# KiCad board 4runner-seat-heat.kicad_pcb
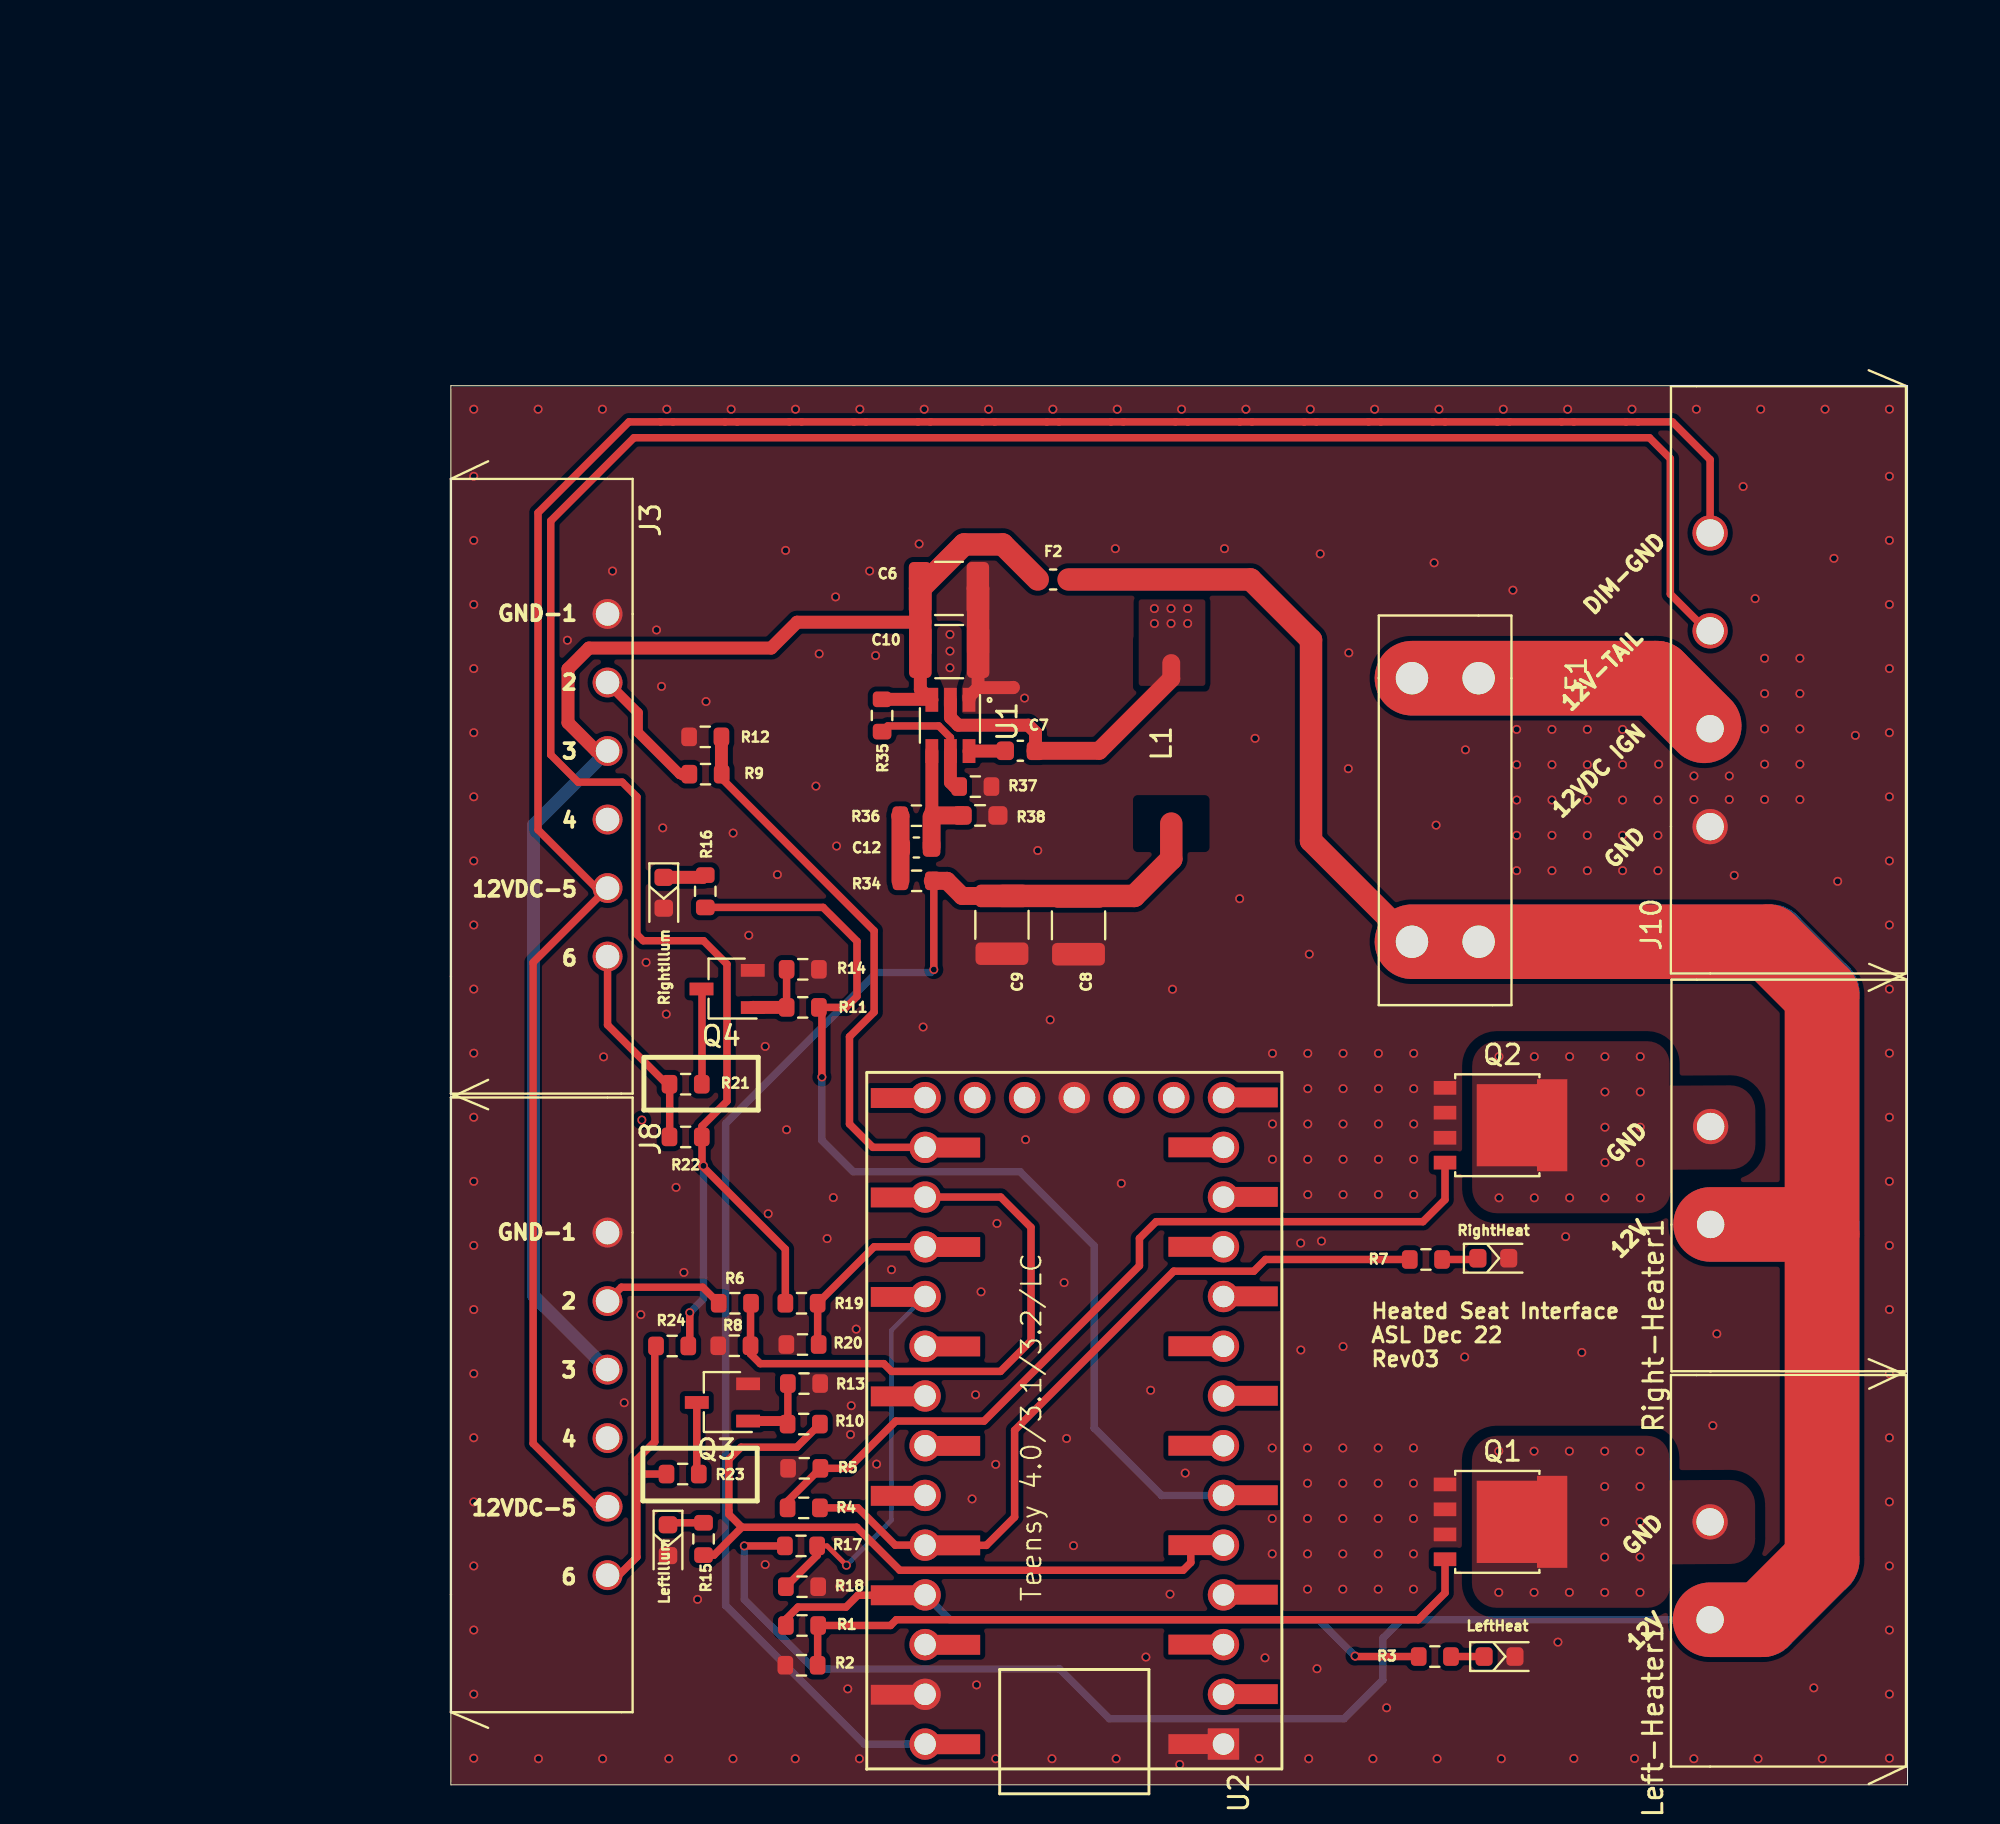
[diagram p0: board, top side]
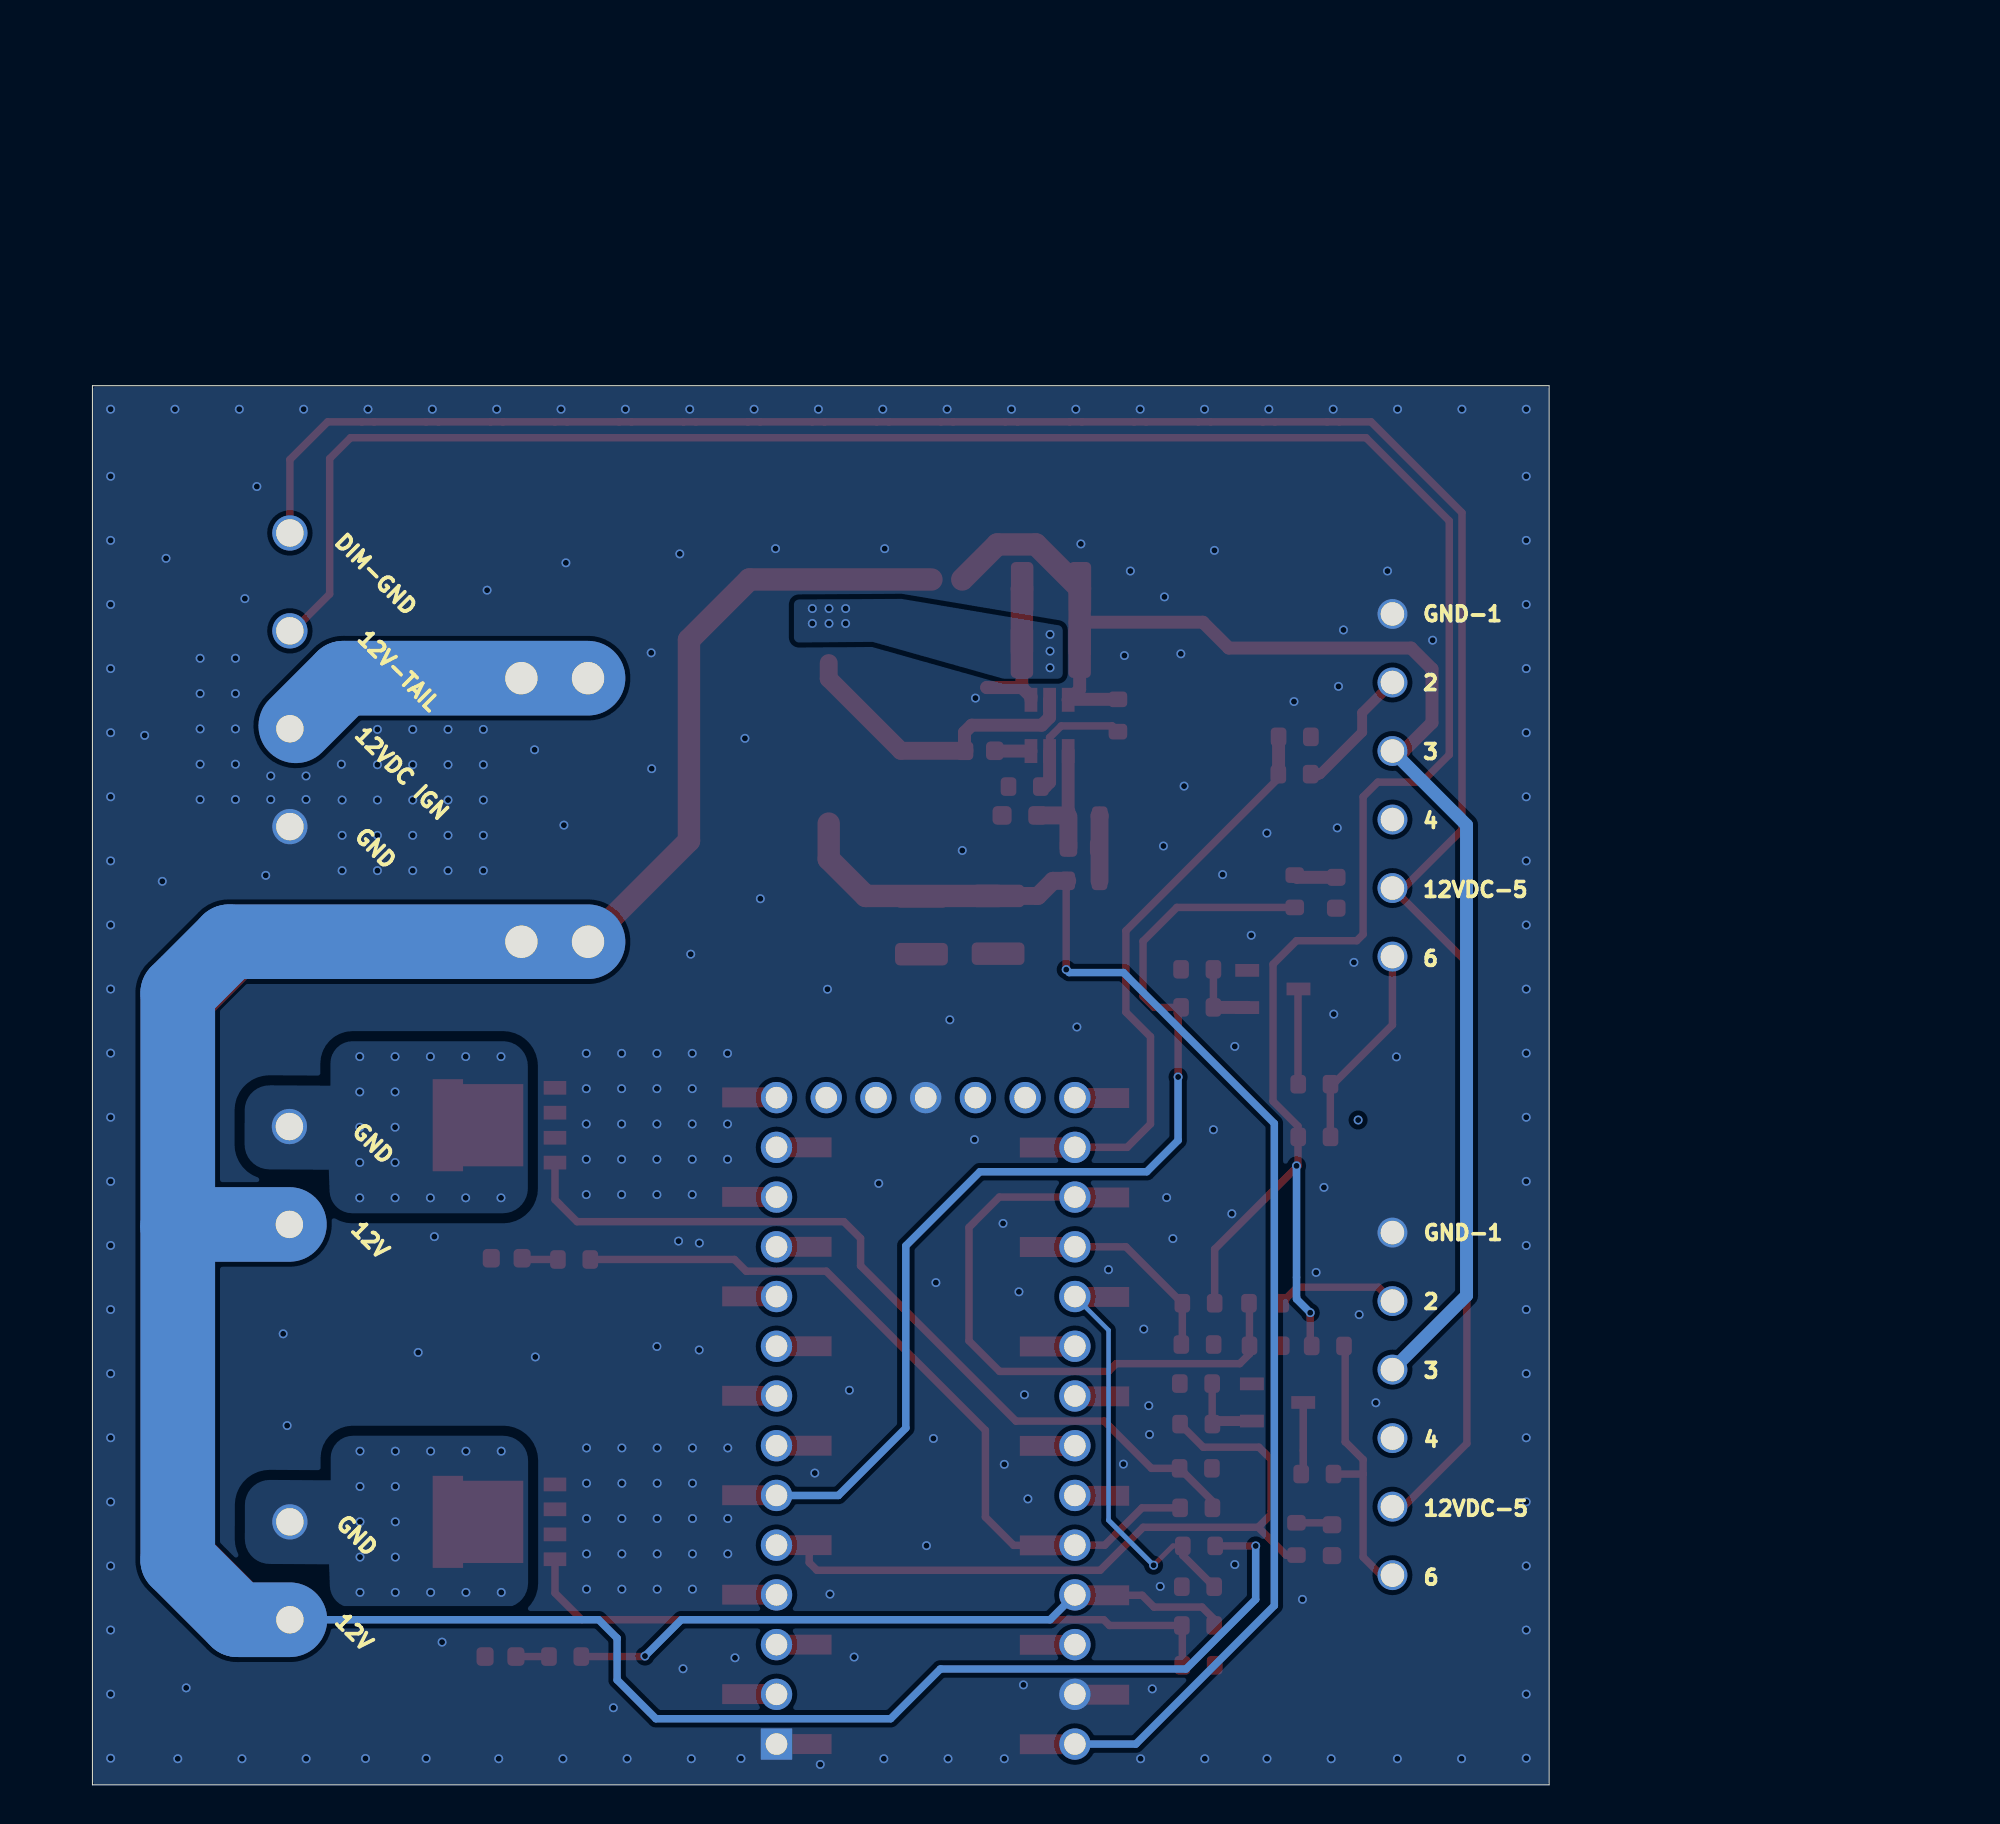
[diagram p1: board, bottom side, seen from below]

Outline 74.4 x 71.47 mm; copper layers: Top, Bottom. Coordinates in mm from the lower left corner of the outline.
Outline path: 0,71.47 0,0 74.4,0 74.4,71.47 0,71.47

## Placement (name value [footprint] x y rotation side)
C6  0.1uF  [C_1210_3225Metric]  25.44 61.11 0 top
C7  0.1uF  [C_0603_1608Metric]  29.08 52.82 180 top
C8  22uF  [C_1210_3225Metric]  32.05 43.9 90 top
C9  22uF  [C_1210_3225Metric]  28.14 43.93 90 top
C10  10uF  [C_1210_3225Metric]  25.45 57.89 0 top
C12  22uF  [C_0603_1608Metric]  23.77 47.88 180 top
D1  LeftHeatLED  [Kingbright-APT1608LZGCK]  53.56 6.55 180 top
D2  RightHeatLED  [Kingbright-APT1608LZGCK]  53.24 26.9 180 top
D3  Right-Illum-LED  [Kingbright-APT1608LZGCK]  10.87 45.57 90 top
D4  Left-Illum-LED  [Kingbright-APT1608LZGCK]  11.09 12.5 90 top
F1  Fuse  [Keystone-3587-20]  52.49 56.53 270 top
F2  Polyfuse  [Fuse_0603_1608Metric]  30.76 61.57 0 top
J1  Toyota-90980-10964  [DNP-Mechanical]  5.98 88.19 0 top
J3  -  [TE-284539-6]  8 59.81 270 top
J4  TE-796859-2  [DNP-Mechanical]  5.98 85.67 0 top
J5  Toyota-90980-10933  [DNP-Mechanical]  25.01 88.19 0 top
J6  TE-796859-2  [DNP-Mechanical]  5.98 83.15 0 top
J7  TE-284510-6  [DNP-Mechanical]  45.36 73.89 0 top
J8  -  [TE-284539-6]  8 28.21 270 top
J9  TE-796859-4  [DNP-Mechanical]  45.87 76.68 0 top
J10  TE796864-4  [TE-796864-4]  64.31 48.95 90 top
L1  L  [Wurth-7447714068]  36.79 53.2 270 top
Left-Heater1  -  [TE-796864-2]  64.31 8.43 90 top
Pin2  TE-1743655-1  [DNP-Mechanical]  5.98 80.63 0 top
Pin3  TE-1743655-1  [DNP-Mechanical]  5.98 78.11 0 top
Pin4  TE-1743655-1  [DNP-Mechanical]  5.98 75.59 0 top
Pin5  TE-1743655-1  [DNP-Mechanical]  5.98 73.07 0 top
Pin6  TE-1743655-1  [DNP-Mechanical]  -14.07 88.42 0 top
Pin7  TE-1743655-1  [DNP-Mechanical]  -14.38 82.98 0 top
Pin8  TE-1743655-1  [DNP-Mechanical]  25.01 83.15 0 top
Pin9  TE-1743655-1  [DNP-Mechanical]  25.01 80.63 0 top
Pin10  TE-1743655-1  [DNP-Mechanical]  25.01 78.11 0 top
Pin10#2  TE-1743655-1  [DNP-Mechanical]  45.58 88.37 0 top
Pin10#3  TE-1743655-1  [DNP-Mechanical]  45.36 85.32 0 top
Pin10#4  TE-1743655-1  [DNP-Mechanical]  45.01 82.27 0 top
Pin10#5  TE-1743655-1  [DNP-Mechanical]  45.06 79.32 0 top
Pin10#6  TE-1743655-1  [DNP-Mechanical]  65.74 88.21 0 top
Pin10#7  TE-1743655-1  [DNP-Mechanical]  65.38 84.2 0 top
Pin10#8  TE-1743655-1  [DNP-Mechanical]  65.38 80.85 0 top
Pin10#9  TE-1743655-1  [DNP-Mechanical]  65.53 76.48 0 top
Pin11  TE-1743655-1  [DNP-Mechanical]  25.01 75.59 0 top
Pin12  TE-1743655-1  [DNP-Mechanical]  25.01 73.07 0 top
Q1  BUK9Y30-75B,115  [BUK9Y30-75B,115-SOT669]  53.71 13.43 0 top
Q2  BUK9Y30-75B,115  [BUK9Y30-75B,115-SOT669]  53.71 33.69 0 top
Q3  -  [BSH103,215]  13.87 19.53 180 top
Q4  -  [BSH103,215]  14.11 40.65 180 top
R1  10K  [R_0603_1608Metric]  17.93 8.14 180 top
R2  100K  [R_0603_1608Metric]  17.91 6.11 0 top
R3  1K  [R_0603_1608Metric]  50.25 6.55 180 top
R4  10K  [R_0603_1608Metric]  18.02 14.15 0 top
R5  100K  [R_0603_1608Metric]  18.05 16.17 0 top
R6  3.6k  [R_0603_1608Metric]  14.5 24.6 180 top
R7  1K  [R_0603_1608Metric]  49.8 26.84 180 top
R8  1k  [R_0603_1608Metric]  14.48 22.43 180 top
R9  3.6k  [R_0603_1608Metric]  13 51.63 180 top
R10  10K  [R_0603_1608Metric]  18.02 18.43 0 top
R11  10K  [R_0603_1608Metric]  17.97 39.71 0 top
R12  1k  [R_0603_1608Metric]  12.99 53.53 180 top
R13  10K  [R_0603_1608Metric]  18.03 20.5 180 top
R14  10K  [R_0603_1608Metric]  17.97 41.66 180 top
R15  10K  [R_0603_1608Metric]  12.9 12.56 270 top
R16  10K  [R_0603_1608Metric]  12.99 45.64 270 top
R17  3.6k  [R_0603_1608Metric]  17.88 12.2 180 top
R18  1k  [R_0603_1608Metric]  17.93 10.12 180 top
R19  3.6k  [R_0603_1608Metric]  17.91 24.6 180 top
R20  1k  [R_0603_1608Metric]  17.96 22.49 0 top
R21  0ohm  [R_0603_1608Metric]  11.99 35.79 0 top
R22  0ohm  [R_0603_1608Metric]  11.99 33.1 180 top
R23  0ohm  [R_0603_1608Metric]  11.84 15.88 0 top
R24  0ohm  [R_0603_1608Metric]  11.3 22.42 180 top
R34  49.9  [R_0603_1608Metric]  23.79 46.18 180 top
R35  510k  [R_0603_1608Metric]  22.02 54.62 270 top
R36  100k  [R_0603_1608Metric]  23.77 49.5 0 top
R37  105k  [R_0603_1608Metric]  26.78 50.99 0 top
R38  22k  [R_0603_1608Metric_Pad0.98x0.95mm_HandSolder]  27.03 49.52 0 top
Right-Heater1  -  [TE-796864-2]  64.34 28.63 90 top
S1  Toyota-84751-35090  [DNP-Mechanical]  -13.67 76.02 0 top
S2  Toyota-84751-35100  [DNP-Mechanical]  -13.97 79.07 0 top
U1  -  [TPS54302DDCR]  26.21 54.11 270 top
U2  Teensy3.2  [Teensy30_31_32_LC]  31.84 18.59 90 top

## Library data of the parts
C6-C10 C12 = -: Description: Unpolarized capacitor
D1-D4 = -: Description: Light emitting diode
F2 = -: Description: Resettable fuse, polymeric positive temperature coefficient
J3 J8 = -: Description: Header Shrouded 6 Position 3.5 mm Pitch Right Angle Euro Style Terminal Block
J4 J6 = -: Description: Conn Terminal Block F 2 POS 5.08mm Screw RA Panel Mount 15A/Contact
J7 = -: Description: Conn Eurostyle Block PL 6 POS 3.5mm Solder RA Thru-Hole 11A/Contact
J9 = -: Description: Conn Terminal Block F 4 POS 5.08mm Screw RA Panel Mount 15A/Contact
J10 = -: Description: Conn Shrouded Header (4 Sides) HDR 3 POS 5mm Solder RA Side Entry Thru-Hole Carton
L1 = -: Description: Inductor
Left-Heater1 Right-Heater1 = -: Description: Conn Wire to Board HDR 2 POS 5mm Solder RA Side Entry Thru-Hole Carton
Pin2-Pin10 Pin10#2-Pin10#9 Pin11 Pin12 = -: Description: Contact SKT Crimp ST Cable Mount T/R Automotive
Q1 Q2 = -: Description: MOSFET N-CH 75V 34A LFPAK56
Q3 Q4 = -: Description: MOSFET N-CH 30V 850MA TO236AB
R1-R24 R34-R38 = -: Description: Resistor
U1 = -: Description: Conv DC-DC 4.5V to 28V Synchronous Step Down Single-Out 0.6V to 26V 3A 6-Pin TSOT-23 T/R
U2 = -: Description: Teensy 3.2/LC

## Footprints (pads in the part's own frame, mm; a bottom-side part is the same pattern mirrored in y, then rotated)
BSH103,215
  rect 1.22x0.65 smd: 1(-1.31,0.95) 2(-1.31,-0.95) 3(1.31,0)
BUK9Y30-75B,115-SOT669
  rect 0.6x0.9 smd: (-0.765,1.15) (-0.765,0) (-0.765,-1.15) (0.085,1.15) (0.085,0) (0.085,-1.15) (0.935,1.15) (0.935,0) (0.935,-1.15)
  rect 0.9x0.6 smd: (2.785,1.88) (2.785,0.6) (2.785,-0.6) (2.785,-1.88)
  rect 1.15x0.7 smd: 1(-2.935,-1.91) 2(-2.935,1.91) 2(-2.935,0.64) 2(-2.935,-0.64)
  custom 4.625x4.7 smd: 3(0.335,0)
C_0603_1608Metric
  rrect 0.9x0.95 smd: 1(-0.775,0) 2(0.775,0)
C_1210_3225Metric
  rrect 1.15x2.7 smd: 1(-1.475,0) 2(1.475,0)
DNP-Mechanical
  round 1.524 smd: (-5.89,-0.01) (-2.588,-0.01) (0.714,-0.01) (4.016,-0.01) (7.318,-0.01) (10.62,-0.01)
Fuse_0603_1608Metric
  rrect 0.875x0.95 smd: 1(-0.787,0) 2(0.787,0)
Keystone-3587-20
  round 2.159 hole 1.651: 1(0,0) 1(0,-3.404) 2(13.462,0) 2(13.462,-3.404)
Kingbright-APT1608LZGCK
  rrect 0.875x0.95 smd: 1(-0.787,0) 2(0.787,0)
R_0603_1608Metric
  rrect 0.8x0.95 smd: 1(-0.825,0) 2(0.825,0)
R_0603_1608Metric_Pad0.98x0.95mm_HandSolder
  rrect 0.975x0.95 smd: 1(-0.912,0) 2(0.912,0)
TE-284539-6
  round 1.524 hole 1.2: 1(0,0) 2(3.5,0) 3(7,0) 4(10.5,0) 5(14,0) 6(17.5,0)
TE-796864-2
  round 1.8 hole 1.4: 1(0,0) 2(5,0)
TE-796864-4
  round 1.8 hole 1.4: 1(0,0) 2(5,0) 3(10,0) 4(15,0)
Teensy30_31_32_LC
  round 1.6 hole 1.1: 0(-13.97,-7.62) 1(-11.43,-7.62) 2(-8.89,-7.62) 3(-6.35,-7.62) 3.3V(16.51,-2.54) 3V3(-11.43,7.62) 4(-3.81,-7.62) 5(-1.27,-7.62) 6(1.27,-7.62) 7(3.81,-7.62) 8(6.35,-7.62) 9(8.89,-7.62) 10(11.43,-7.62) 11(13.97,-7.62) 12(16.51,-7.62) 13(16.51,7.62) 14(13.97,7.62) 15(11.43,7.62) 16(8.89,7.62) 17(6.35,7.62) 18(3.81,7.62) 19(1.27,7.62) 20(-1.27,7.62) 21(-3.81,7.62) 22(-6.35,7.62) 23(-8.89,7.62) A14(16.51,5.08) AGND(-13.97,7.62) GND(16.51,0) Program(16.51,2.54) VBat(16.51,-5.08) Vin(-16.51,7.62)
  rect 1.016x2.286 smd: 0(-13.96,-9.25) 1(-11.43,-5.95) 2(-8.88,-9.25) 3(-6.35,-5.95) 3V3(-11.44,5.95) 4(-3.8,-9.25) 5(-1.27,-5.95) 6(1.28,-9.25) 7(3.81,-5.95) 8(6.36,-9.25) 9(8.89,-5.95) 10(11.44,-9.25) 11(13.97,-5.95) 12(16.52,-9.25) 13(16.49,9.25) 14(13.96,5.95) 15(11.41,9.25) 16(8.88,5.95) 17(6.33,9.25) 18(3.8,5.95) 19(1.25,9.25) 20(-1.28,5.95) 21(-3.83,9.25) 22(-6.36,5.95) 23(-8.91,9.25) AGND(-13.99,9.25) GND(-16.51,-5.95) Vin(-16.52,5.95)
  rect 1.6x1.6 hole 1.1: GND(-16.51,-7.62)
TPS54302DDCR
  rect 1.22x0.65 smd: 1(-1.31,0.25) 2(-1.31,-0.7) 3(-1.31,-1.65) 4(1.31,-1.65) 5(1.31,-0.7) 6(1.31,0.25)

## Nets
3V3: C8.2 C9.2 R34.1 U2.Vin
+12VDC: F1.2 F2.2 Left-Heater1.1 R17.2 Right-Heater1.1
/3V3-Boot: C7.2 U1.6
/3V3-EN: R35.2 R37.1 U1.5
/3V3-FB: C12.1 R36.2 R38.1 U1.4
/12VDC-IGN: F1.1 J10.2
GND: C6.2 C8.1 C9.1 C10.2 D1.1 D2.1 D3.1 D4.1 J3.1 J8.1 J10.1 Q1.2 Q2.2 Q3.2 Q4.2 R2.1 R5.1 R8.2 R12.2 R13.1 R14.1 R18.1 R20.1 R37.2 R38.2 U1.1 U2.AGND U2.GND
+12-Polyfuse: C6.1 C10.1 F2.1 J3.3 J8.3 R35.1 U1.3
+12-TAIL: J10.3 R19.2 R22.1 R24.1
DIMMER-GND: J3.5 J8.5 J10.4
Left-Heat-3V3: R1.2 R3.2 U2.23
Left-Illum: Q3.3 R23.2
Left-Illum-3V3: R10.2 R15.2 U2.3
Left-Pot: R6.1 R8.1 U2.15
Right-Heat-3V3: R4.2 R7.2 U2.22
Right-Illum: Q4.3 R21.2
Right-Illum-3V3: R11.2 R16.2 U2.4
Right-Pot: R9.1 R12.1 U2.14
Net-(C12-Pad2): C12.2 R34.2 R36.1
Net-(D1-A): D1.2 R3.1
Net-(D2-A): D2.2 R7.1
Net-(D3-A): D3.2 R16.1
Net-(D4-A): D4.2 R15.1
Net-(J3-Pad2): J3.2 R9.2
Net-(J3-Pad6): J3.6 R21.1 R22.2
Net-(J8-Pad2): J8.2 R6.2
Net-(J8-Pad6): J8.6 R23.1 R24.2
Net-(Q1-D): Left-Heater1.2 Q1.3
Net-(Q1-G): Q1.1 R1.1 R2.2
Net-(Q2-D): Q2.3 Right-Heater1.2
Net-(Q2-G): Q2.1 R4.1 R5.2
Net-(Q3-G): Q3.1 R10.1 R13.2
Net-(Q4-G): Q4.1 R11.1 R14.2
Net-(U1-SW): C7.1 U1.2
Net-(U2-A2/16): R19.1 R20.2 U2.16
Net-(U2-A3/17): R17.1 R18.2 U2.17

Pads without a net: J3 4; J8 4; U2 0 1 2 3.3V 3V3 5 6 7 8 9 10 11 12 13 18 19 20 21 A14 Program VBat

## Via types
v1: diameter 0.457, hole 0.305, Top to Bottom, 308 vias

## Routing (per net, layer and track width the routed paths; a pad name or vN(x,y) marks a point on that pad's centre or on a via; arc(x,y) is an arc through that point)
3V3: length 71.3
  Top w0.381: R34.1 24.66,46.13 v1(24.66,41.64)
  Top w0.914: C9.2 26.11,45.4 25.34,46.18 R34.1
  Top w1.143: 36.79,49.1 36.79,47.3 34.9,45.4 C9.2
  Bottom w0.381: v1(24.66,41.64) 24.51,41.49 21.74,41.49 14.03,33.78 14.03,9.16 21.11,2.08 U2.Vin
+12VDC: length 218.7
  Top w0.381: R17.2 v1(14.99,12.2)
  Top w1.143: F1.2 43.93,48.22 43.93,58.48 40.84,61.57 F2.2
  Top w3.81: Right-Heater1.1 69.53,28.63 70.03,28.13 ; F1.2 67.3,43.07 70.03,40.34 70.03,28.13 ; 70.03,28.13 70.03,11.51 66.95,8.43 Left-Heater1.1
  Bottom w0.381: Left-Heater1.1 48.54,8.43 47.6,7.49 47.6,5.36 45.62,3.38 33.63,3.38 31.09,5.92 18.54,5.92 14.99,9.47 v1(14.99,12.2)
  Bottom w3.81: 70.04,28.52 70.04,40.45 67.42,43.07 F1.2 ; 70.04,28.52 70.04,11.48 66.99,8.43 Left-Heater1.1 ; 70.04,28.52 69.94,28.63 Right-Heater1.1
/3V3-Boot: length 1.9
  Top w0.66: C7.2 28.29,52.8 U1.6
/3V3-EN: length 6.7
  Top w0.381: R35.2 22.31,54.09 24.92,54.09 25.51,53.49 U1.5
  Top w0.66: U1.5 25.51,51.21 25.73,50.99 R37.1
/3V3-FB: length 6.4
  Top w0.66: U1.4 24.56,49.54 R36.2
  Top w0.914: C12.1 24.55,49.45 ; R38.1 24.61,49.52 R36.2
/12VDC-IGN: length 31.9
  Top w3.81: F1.1 61.58,56.53 64.01,54.1
  Bottom w3.81: 64.01,54.1 61.58,56.53 F1.1
GND: length 7.7
  Top w0.66: 26.93,56.05 26.46,55.58 U1.1 ; 26.93,56.05 C10.2 ; 26.93,56.05 28.72,56.05 28.73,56.06
  Top w1.143: C10.2 26.93,61.1 C6.2
  vias: v1(1.17,70.27) v1(1.17,66.84) v1(1.17,63.57) v1(1.17,60.29) v1(1.17,57.02) v1(1.17,53.74) v1(1.17,50.47) v1(1.17,47.2) v1(1.17,43.92) v1(1.17,40.65) v1(1.17,37.37) v1(1.17,34.1) v1(1.17,30.83) v1(1.17,27.55) v1(1.17,24.28) v1(1.17,21) v1(1.17,17.73) v1(1.17,14.46) v1(1.17,11.18) v1(1.17,7.91) v1(1.17,4.63) v1(1.17,1.36) v1(4.45,70.27) v1(4.47,1.33) v1(5.95,58.47) v1(7.74,70.27) v1(7.8,37.19) v1(7.75,1.33) v1(8.26,62) v1(8.85,19.52) v1(9.7,24.02) v1(9.97,42.01) v1(10.5,58.99) v1(10.76,56.11) v1(10.82,48.88) v1(11.03,70.27) v1(11,39.37) v1(11.13,1.33) v1(11.5,30.52) v1(11.9,26.17) v1(12.6,9.47) v1(13.03,55.33) v1(14.31,70.27) v1(14.41,48.62) v1(14.41,1.33) v1(15.21,43.4) v1(16.05,37.72) v1(16.05,11.25) v1(16.21,29.17) v1(16.68,46.49) v1(17.09,63.06) v1(17.14,33.46) v1(17.6,70.27) v1(17.59,1.33) v1(18.64,51.02) v1(18.81,57.77) v1(19.22,27.9) v1(19.53,30) v1(19.65,60.68) v1(19.7,47.96) v1(19.86,10.13) v1(20.27,4.9) v1(20.45,19.37) v1(20.41,17.89) v1(20.7,23.28) v1(20.89,70.27) v1(20.86,1.33) v1(21.39,62) v1(21.69,57.68) v1(21.74,16.38) v1(22.5,26.31) v1(23.91,63.39) v1(24.12,38.71) v1(24.17,70.27) v1(26.62,14.61) v1(26.8,19.93) v1(26.85,5.11) v1(27.08,25.18) v1(27.46,70.27) v1(27.83,16.37) v1(27.83,1.33) v1(27.89,28.68) v1(29.3,55.51) v1(29.35,32.96) v1(29.97,47.73) v1(30.61,39.08) v1(30.75,70.27) v1(30.7,1.33) v1(31.32,25.65) v1(31.45,17.69) v1(31.8,12.22) v1(33.93,63.14) v1(34.03,70.27) v1(33.98,1.33) v1(34.24,30.72) v1(35.5,6.53) v1(35.74,20.16) v1(36.73,9.74) v1(36.86,40.64) v1(37.22,1.04) v1(37.32,70.27) v1(37.5,15.93) v1(39.51,63.14) v1(40.28,45.26) v1(40.6,70.27) v1(41.07,53.45) v1(41.27,1.35) v1(41.58,6.49) v1(41.95,17.21) v1(41.95,13.6) v1(41.95,11.8) v1(41.96,37.36) v1(41.96,33.76) v1(41.96,31.95) v1(43.4,27.67) v1(43.41,22.21) v1(43.84,42.43) v1(43.76,37.36) v1(43.76,35.56) v1(43.76,33.76) v1(43.76,31.95) v1(43.76,30.15) v1(43.75,17.21) v1(43.75,15.41) v1(43.75,13.6) v1(43.75,11.8) v1(43.75,10) v1(43.81,1.33) v1(43.89,70.27) v1(44.23,5.93) v1(44.4,62.88) v1(44.46,27.78) v1(45.57,37.36) v1(45.57,35.56) v1(45.57,33.76) v1(45.57,31.95) v1(45.57,30.15) v1(45.57,22.39) v1(45.55,17.21) v1(45.55,15.41) v1(45.55,13.6) v1(45.55,11.8) v1(45.55,10) v1(45.83,51.91) v1(45.86,57.82) v1(47.09,1.33) v1(47.18,70.27) v1(47.37,37.36) v1(47.37,35.56) v1(47.37,33.76) v1(47.37,31.95) v1(47.37,30.15) v1(47.36,17.21) v1(47.36,15.41) v1(47.36,13.6) v1(47.36,11.8) v1(47.36,10) v1(47.79,3.94) v1(49.17,37.36) v1(49.17,35.56) v1(49.17,33.76) v1(49.17,31.95) v1(49.17,30.15) v1(49.16,17.21) v1(49.16,15.41) v1(49.16,13.6) v1(49.16,11.8) v1(49.16,10) v1(50.22,62.42) v1(50.32,49.02) v1(50.37,1.33) v1(50.46,70.27) v1(51.82,52.87) v1(51.78,21.86) v1(53.65,1.33) v1(53.75,70.27) v1(54.24,61.02) v1(54.43,53.91) v1(54.43,52.11) v1(54.43,50.3) v1(54.43,48.5) v1(54.43,46.7) v1(56.24,53.91) v1(56.24,52.11) v1(56.24,50.3) v1(56.24,48.5) v1(56.24,46.7) v1(56.54,7.29) v1(56.93,28) v1(57.04,70.27) v1(57.35,1.35) v1(57.76,22.09) v1(58.04,53.91) v1(58.04,52.11) v1(58.04,50.3) v1(58.04,48.5) v1(58.04,46.7) v1(59.84,53.91) v1(59.84,52.11) v1(59.84,50.3) v1(59.84,48.5) v1(59.84,46.7) v1(60.32,70.27) v1(60.45,1.35) v1(61.65,50.3) v1(61.65,48.5) v1(61.65,46.7) v1(61.68,52.13) v1(63.49,51.53) v1(63.49,50.33) v1(63.48,1.33) v1(63.61,70.27) v1(64.45,18.35) v1(64.66,23.04) v1(65.29,51.53) v1(65.29,50.33) v1(65.54,46.46) v1(66,66.32) v1(66.61,60.59) v1(66.76,1.33) v1(66.9,70.27) v1(67.09,57.54) v1(67.09,55.74) v1(67.09,53.94) v1(67.09,52.13) v1(67.09,50.33) v1(68.9,57.54) v1(68.9,55.74) v1(68.9,53.94) v1(68.9,52.13) v1(68.9,50.33) v1(69.61,4.95) v1(70.04,1.33) v1(70.18,70.27) v1(70.64,62.65) v1(70.83,46.15) v1(71.73,53.61) v1(73.47,70.27) v1(73.47,66.84) v1(73.47,63.57) v1(73.47,60.29) v1(73.47,57.02) v1(73.47,53.74) v1(73.47,50.47) v1(73.47,47.2) v1(73.47,43.92) v1(73.47,40.65) v1(73.47,37.37) v1(73.47,34.1) v1(73.47,30.83) v1(73.47,27.55) v1(73.47,24.28) v1(73.47,21) v1(73.47,17.73) v1(73.47,14.46) v1(73.47,11.18) v1(73.47,7.91) v1(73.47,4.63) v1(73.47,1.36)
+12-Polyfuse: length 75.3
  Top w0.66: C10.1 23.98,55.96 24.51,55.42 U1.3 24.54,55.45 R35.1 ; 23.98,59.39 17.68,59.39 16.36,58.07 7.05,58.07 5.98,57 5.98,54.25 7.43,52.81 J3.3
  Top w1.143: F2.1 28.18,63.36 26.21,63.36 C6.1 23.98,61.1 C10.1
  Bottom w0.66: J3.3 4.22,49.02 4.22,25 J8.3
+12-TAIL: length 127.8
  Top w0.381: R19.2 17.08,27.36 12.82,31.62 12.82,33.64 14.1,34.92 14.1,41.92 12.9,43.12 9.82,43.12 9.5,43.44 9.5,50.47 8.75,51.22 6.5,51.22 5.1,52.62 5.1,64.56 9.35,68.81 61.21,68.81 62.28,67.74 62.28,60.83 64.31,58.79 ; R24.1 12.2,22.49 v1(12.2,24.12)
  Bottom w0.381: v1(12.9,31.62) 12.9,24.82 v1(12.2,24.12)
DIMMER-GND: length 122.6
  Top w0.381: J8.5 7.43,14.21 4.2,17.44 4.2,42.01 J3.5 7.43,45.81 4.45,48.78 4.45,64.98 9.09,69.62 10.71,69.62 10.72,69.62 11.34,69.62 11.34,69.62 14,69.62 14,69.62 14.62,69.62 14.63,69.62 17.29,69.62 17.29,69.62 17.91,69.62 17.91,69.62 20.57,69.62 20.58,69.62 21.2,69.62 21.2,69.62 23.86,69.62 23.86,69.62 24.48,69.62 24.49,69.62 27.15,69.62 27.15,69.62 27.77,69.62 27.77,69.62 30.43,69.62 30.43,69.62 31.06,69.62 31.06,69.62 33.72,69.62 33.72,69.62 34.34,69.62 34.35,69.62 37.01,69.62 37.01,69.62 37.63,69.62 37.63,69.62 40.29,69.62 40.29,69.62 40.92,69.62 40.92,69.62 43.58,69.62 43.58,69.62 44.2,69.62 44.2,69.62 46.86,69.62 46.87,69.62 47.49,69.62 47.49,69.62 50.15,69.62 50.15,69.62 50.77,69.62 50.78,69.62 53.44,69.62 53.44,69.62 54.06,69.62 54.06,69.62 56.72,69.62 56.73,69.62 57.35,69.62 57.35,69.62 60.01,69.62 60.01,69.62 60.63,69.62 60.64,69.62 62.38,69.62 64.31,67.69 64.31,63.79
Left-Heat-3V3: length 32.8
  Top w0.381: v1(46.18,6.58) 46.2,6.55 R3.2 ; U2.23 20.78,9.68 20.18,9.08 17.73,9.08 17.11,8.46 R1.2
  Bottom w0.381: v1(46.18,6.58) 44.32,8.43 25.49,8.43 U2.23
Left-Illum: length 3.8
  Top w0.381: R23.2 12.56,15.98 Q3.3 12.56,19.43
Left-Illum-3V3: length 36.6
  Top w0.381: 14.86,13.16 14.2,13.82 14.2,16.62 14.82,17.25 17.67,17.25 R10.2 ; 14.86,13.16 20.73,13.16 22.93,10.96 37.4,10.96 37.79,11.35 U2.3 ; 14.86,13.16 13.44,11.74 R15.2
Left-Pot: length 29.8
  Top w0.381: U2.15 28.08,30.02 29.63,28.47 29.63,22.68 28.07,21.12 22.5,21.12 22.11,21.51 15.8,21.51 15.3,22.01 15.3,24.57 R6.1
Right-Heat-3V3: length 37.9
  Top w0.381: R4.2 20.79,14.15 22.69,12.24 U2.22 ; U2.22 27.35,12.23 28.79,13.68 28.79,18.11 36.92,26.24 41.01,26.24 41.61,26.84 R7.2
Right-Illum: length 4.9
  Top w0.381: R21.2 12.82,35.8 12.82,40.63 Q4.3
Right-Illum-3V3: length 53.8
  Top w0.381: v1(18.95,36.16) 18.95,39.56 R11.2 20.18,39.71 20.74,40.27 20.74,43.09 19.01,44.82 R16.2
  Bottom w0.381: U2.4 36.3,14.78 32.85,18.22 32.85,27.53 29.07,31.32 20.55,31.32 18.95,32.92 v1(18.95,36.16)
Right-Pot: length 27.9
  Top w0.381: U2.14 21.55,32.56 20.36,33.76 20.36,38.21 21.62,39.47 21.62,43.62 13.83,51.41 R9.1
  Top w0.66: R12.1 13.82,51.64 R9.1
Net-(C12-Pad2): length 3.3
  Top w0.914: R36.1 22.96,49.49 R34.2
Net-(D1-A): length 1.7
  Top w0.381: R3.1 D1.2
Net-(D2-A): length 1.9
  Top w0.381: R7.1 52.39,26.84 D2.2
Net-(D3-A): length 2.2
  Top w0.66: D3.2 12.88,46.36 12.99,46.47
Net-(D4-A): length 1.9
  Top w0.381: D4.2 11.19,13.39 R15.1
Net-(J3-Pad2): length 7
  Top w0.508: R9.2 11.69,51.63 9.55,53.77 9.55,54.76 J3.2
  Top w0.66: R9.2 11.86,51.63
Net-(J3-Pad6): length 10
  Top w0.381: R22.2 11.18,33.11 11.18,35.79 11.03,35.79 8,38.82 8,41.73
  vias: v1(9.75,33.96)
Net-(J8-Pad2): length 6.3
  Top w0.381: J8.2 8.71,25.42 12.86,25.42 R6.2
Net-(J8-Pad6): length 14.6
  Top w0.381: R24.2 10.41,22.36 10.41,17.52 10.4,17.52 9.5,16.62 9.5,15.87 ; 9.5,15.87 9.5,11.63 8.58,10.71 8,10.71 ; 9.5,15.87 9.5,15.88 R23.1
Net-(Q1-D):
  vias: v1(53.52,17.04) v1(53.52,9.83) v1(55.32,17.04) v1(55.32,9.83) v1(57.12,17.04) v1(57.12,9.83) v1(58.93,17.04) v1(58.93,15.24) v1(58.93,13.44) v1(58.93,11.63) v1(58.93,9.83) v1(60.73,17.04) v1(60.73,15.24) v1(60.73,13.44) v1(60.73,11.63) v1(60.73,9.83)
Net-(Q1-G): length 36.5
  Top w0.381: 50.77,11.52 50.77,9.8 49.4,8.43 22.75,8.43 22.45,8.14 R1.1 18.73,8.12 R2.2
Net-(Q2-D):
  vias: v1(53.53,37.2) v1(53.53,29.98) v1(55.33,37.2) v1(55.33,29.98) v1(57.14,37.2) v1(57.14,29.98) v1(58.94,37.2) v1(58.94,35.4) v1(58.94,33.59) v1(58.94,31.79) v1(58.94,29.98) v1(60.74,37.2) v1(60.74,35.4) v1(60.74,33.59) v1(60.74,31.79) v1(60.74,29.98)
Net-(Q2-G): length 43
  Top w0.381: Q2.1 50.77,29.89 49.64,28.77 36.02,28.77 35.17,27.91 35.17,26.52 27.23,18.58 22.72,18.58 20.31,16.17 R5.2 17.2,14.49 R4.1
Net-(Q3-G): length 4.2
  Top w0.381: 17.04,18.58 R10.1 17.21,18.44 R13.2
  Top w0.508: Q3.1 17.04,18.58
Net-(Q4-G): length 3.7
  Top w0.381: R11.1 R14.2
  Top w0.66: R11.1 15.43,39.71 Q4.1
Net-(U1-SW): length 15.8
  Top w0.66: U1.2 25.51,54.52 25.91,54.13 29.49,54.13 29.86,53.76 C7.1
  Top w0.914: C7.1 33.11,52.82 36.79,56.5 36.79,57.3
  vias: v1(25.49,58.76) v1(25.49,57.91) v1(25.49,57.06) v1(35.93,60.08) v1(35.93,59.32) v1(36.78,60.08) v1(36.78,59.32) v1(37.63,60.08) v1(37.63,59.32)
Net-(U2-A2/16): length 8.8
  Top w0.381: R20.2 18.73,22.54 R19.1 21.61,27.48 U2.16
Net-(U2-A3/17): length 20
  Top w0.254: v1(20.2,11.22) 19.21,12.2 R17.1
  Top w0.381: R17.1 18.71,11.72 R18.2
  Bottom w0.229: 22.5,13.52 22.5,23.22 U2.17
  Bottom w0.254: v1(20.2,11.22) 22.5,13.52

## Copper pours and planes (outline as drawn; the poured copper is in the pictures)
GND on Top, Bottom: 74.36,0 0.01,0 0.01,71.42 74.36,71.42
Net-(Q1-D) on Top: 62.23,15.56 66.61,15.58 66.62,11.29 62.31,11.27 62.23,9.04 52.15,9.04 52.15,17.83 62.23,17.83
Net-(Q1-D) on Bottom: 62.23,15.56 66.61,15.58 66.62,11.29 62.31,11.27 62.23,9.04 52.15,9.04 52.15,17.83 62.23,17.83
Net-(Q2-D) on Top: 62.24,35.71 66.62,35.74 66.63,31.45 62.33,31.42 62.24,29.2 52.16,29.2 52.16,37.99 62.24,37.99
Net-(Q2-D) on Bottom: 62.24,35.71 66.62,35.74 66.63,31.45 62.33,31.42 62.24,29.2 52.16,29.2 52.16,37.99 62.24,37.99
Net-(U1-SW) on Top: 38.53,56.13 35.13,56.13 35.13,60.55 38.53,60.55
Net-(U1-SW) on Top: 26.09,56.92 25.83,56.05 25.83,54.86 25.17,54.86 25.17,56.02 24.83,56.88 24.83,59.21 26.09,59.21
Net-(U1-SW) on Bottom: 38.57,58.35 34.54,58.38 27.88,56.5 24.84,56.5 24.84,59.19 33.07,60.58 38.57,60.55

## Text on the board
B.Silkscreen: 12VDC-5 | GND-1 | 2 | 3 | 4 | 6 | 12V-TAIL | 12VDC IGN | DIM-GND | GND | 12V
F.Silkscreen: RightHeat | LeftHeat | RightIllum | LeftIllum | Heated Seat Interface / ASL Dec 22 / Rev03 | 12VDC-5 | GND-1 | 2 | 3 | 4 | 6 | 12VDC IGN | 12V-TAIL | DIM-GND | GND | 12V | Teensy 4.0/3.1/3.2/LC
